# Altium PCB BSPD+SDC.PcbDoc (part 1 of 2) (continued)
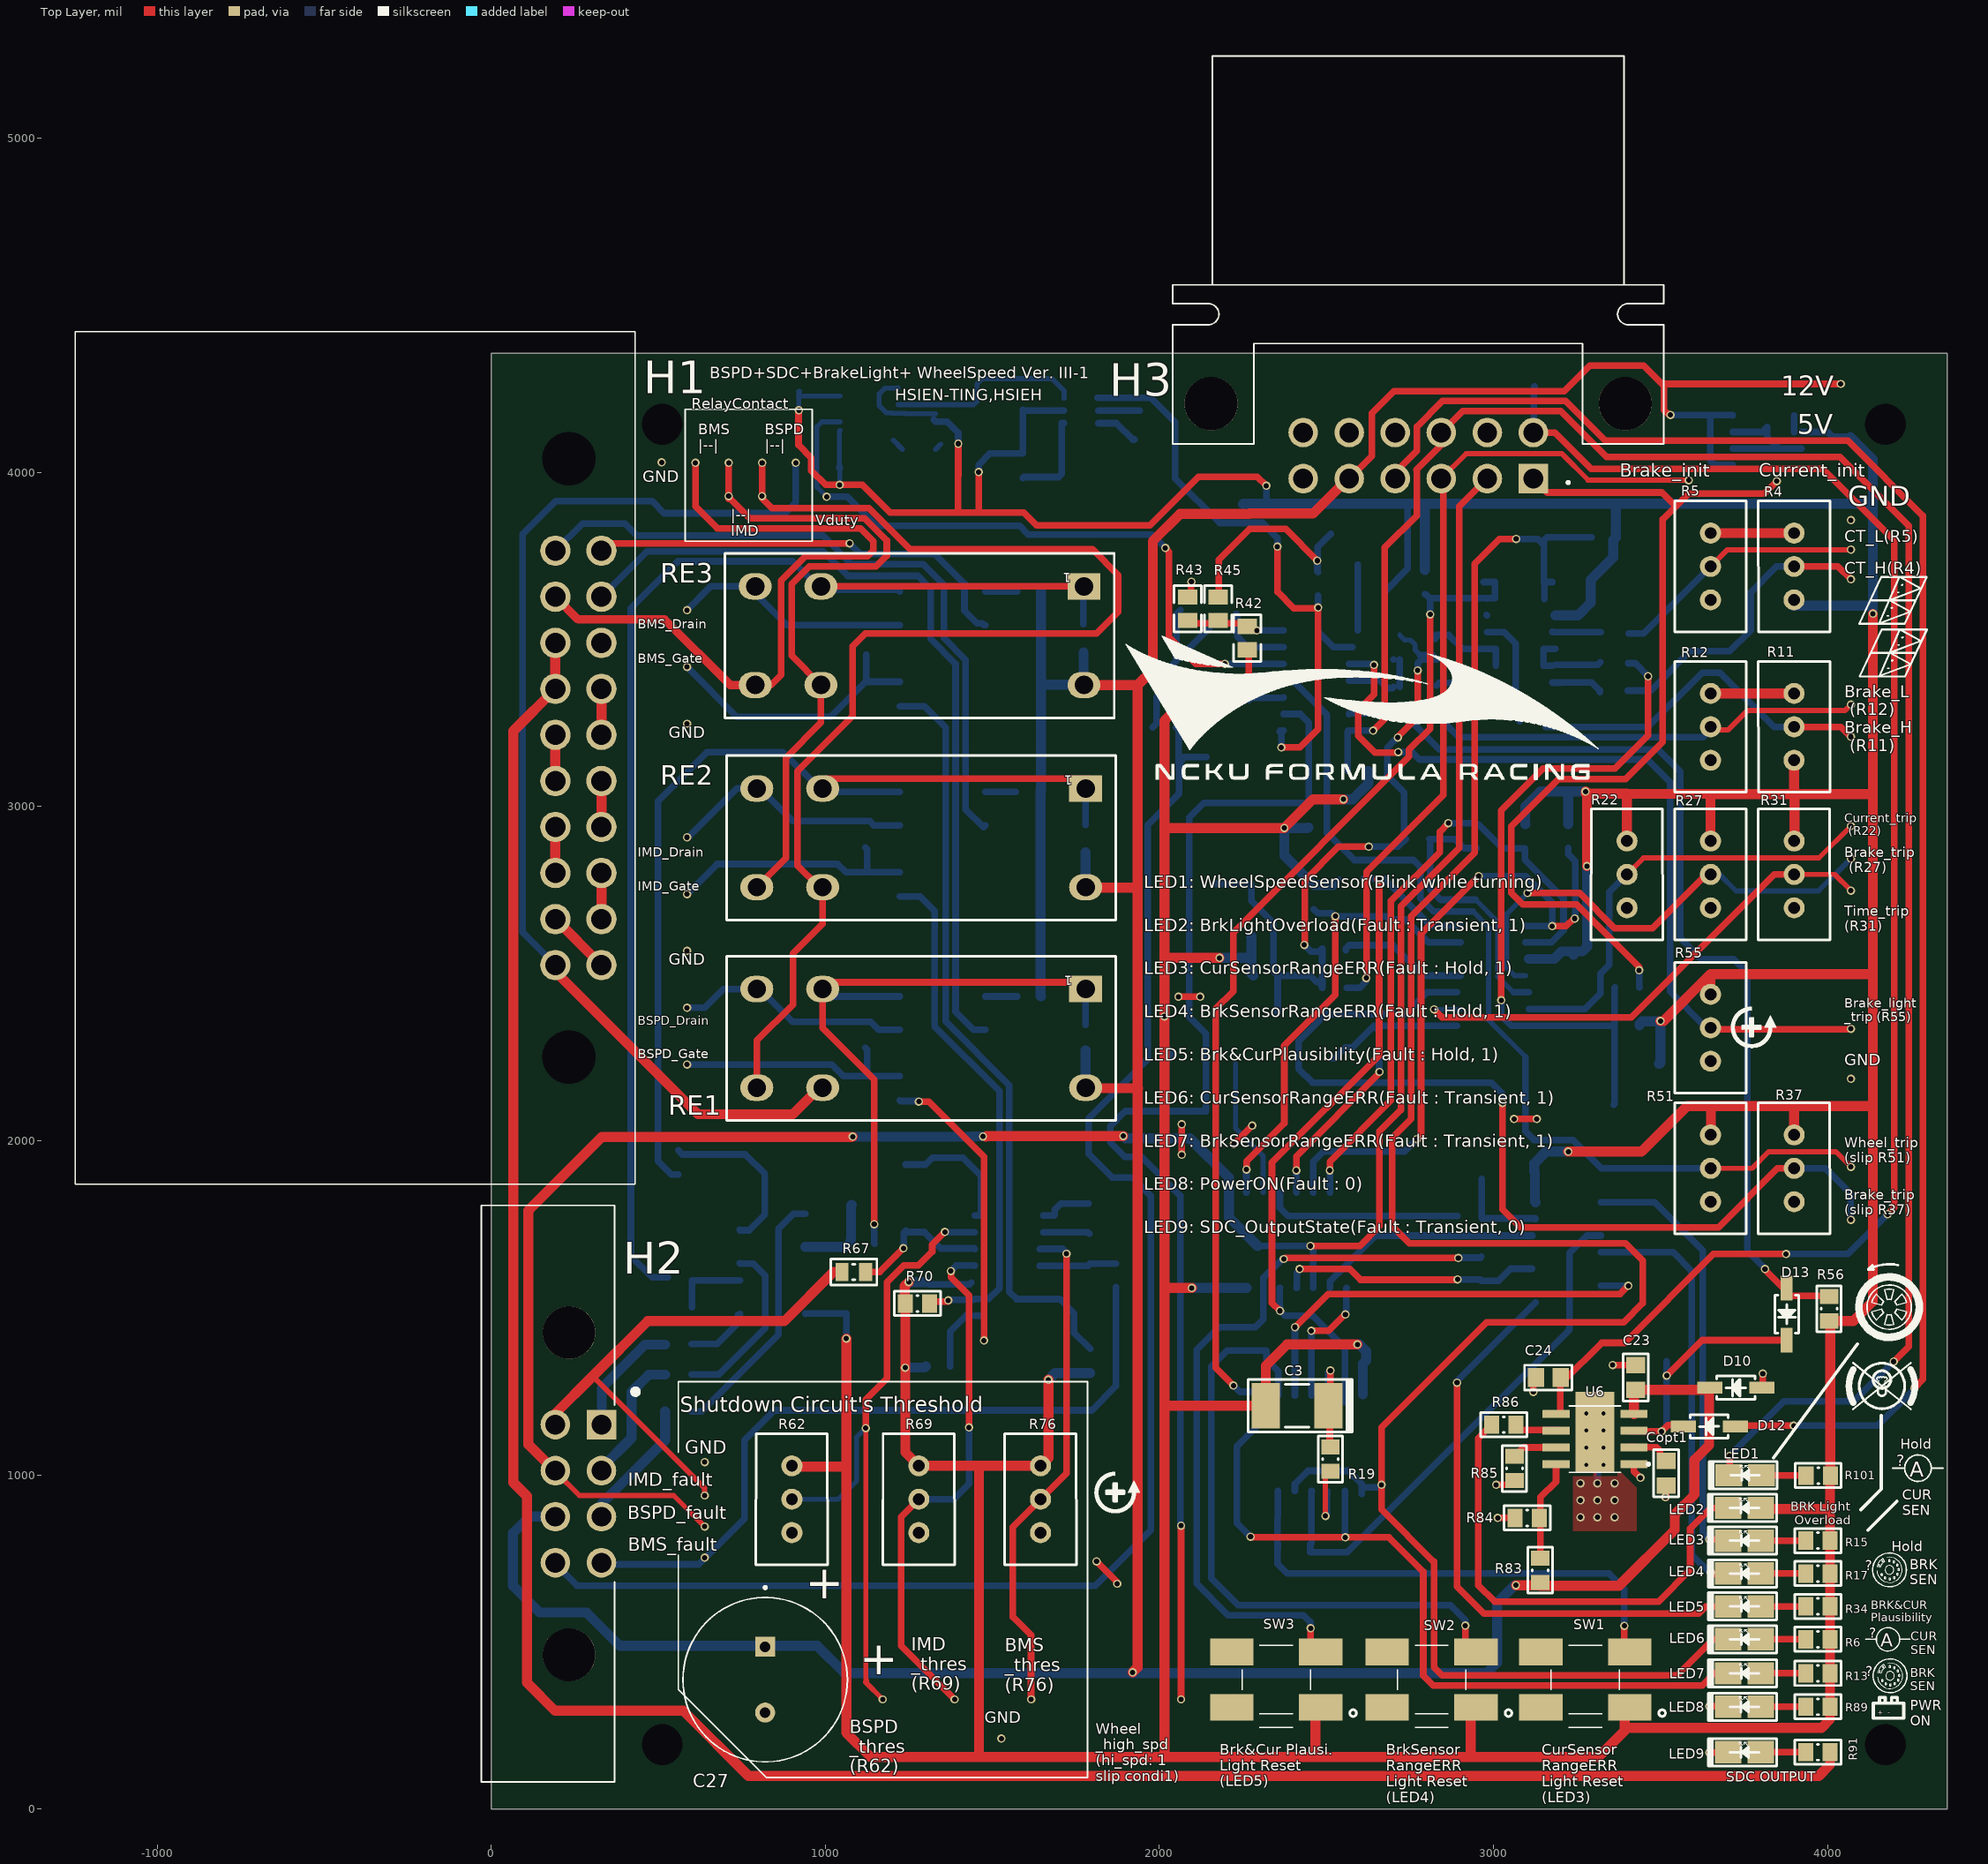
[diagram p0: Top Layer view]
## Components (designator, comment, footprint, x,y, rotation, side; value= is the part's Value field where it differs from the comment) (continued)
R89 "470R" 0805-RESISTOR 3971.34,306 r0 top
R90 "10kR" 0805-RESISTOR 3518,1376 r270 bottom
R91 "1k" 0805-RESISTOR 3971.34,170 r0 top
R92 "0R" 0805-RESISTOR 1375,4247 r0 bottom
R93 "10kR" 0805-RESISTOR 2445.6,2974.13 r270 bottom
R94 "39kR" 0805-RESISTOR 2589,3106 r0 bottom
R95 "100k" 0805-RESISTOR 564.28,1590.88 r180 bottom
R96 "51k" 0805-RESISTOR 563.77,1496.94 r0 bottom
R97 "100k" 0805-RESISTOR 1111.48,1692 r180 bottom
R98 "51k" 0805-RESISTOR 1079,1837 r270 bottom
R99 "100k" 0805-RESISTOR 560,1928 r270 bottom
R100 "51k" 0805-RESISTOR 660.5,1929 r90 bottom
R101 "470R" 0805-RESISTOR 3972.34,998 r0 top
R102 "100kR" 0805-RESISTOR 2179,2086 r0 bottom
RE1 "G2RL-2A4-DC12" G2RL-2A4-DC12 1779.34,2454.09 r180 top (schematic designator re1)
RE2 "G2RL-2A4-DC12" G2RL-2A4-DC12 1779.34,3054.09 r180 top (schematic designator re2)
RE3 "G2RL-2A4-DC12" G2RL-2A4-DC12 1774.34,3659.09 r180 top (schematic designator re3)
SW1 "PTS526 SK08 SMTR2 LFS" PTS526SKG15SMTR2LFS 3275,387 r180 top
SW2 "PTS526 SK08 SMTR2 LFS" PTS526SKG15SMTR2LFS 2815,387 r180 top
SW3 "PTS526 SK08 SMTR2 LFS" PTS526SKG15SMTR2LFS 2350,387 r180 top
U1 "CD4041UBM96" SOIC127P600X175-14N 3224,1666 r180 bottom
U2 "LTC6993CS6-2#TRMPBF" TSOT-23_S6 1765.83,4184.79 r180 bottom
U3 "LTC2644CMS-L12#PBF" SOP65P490X110-12N 1131,4190 r0 bottom
U4 "CD4041" SOIC127P600X175-14N 842.47,1631.93 r0 bottom
U5 "ADP7104ARDZ-5.0-R7" SOIC127P600X175-9N 3820,4096 r180 bottom
U6 "TPS259631DDAR" VREG_LM5017MR/NOPB 3303.94,1107 r180 top

## Footprints (in the part's own frame and the unit in brackets; to place one, negate y for a bottom-side part, rotate by r counter-clockwise, add the part's x,y. Pads: shape width x height; smd on the part's side, far side on the other; paste and mask are expansions set on the pad)
1N4148W-TP [mm] "SODFL, 2-Leads, Body 1.60x4.18mm, IPC Medium Density"
  rect 1.908x0.9 smd: 1(-1.979,0) 2(1.979,0)
  silkscreen extent -1.45,-0.9 1.45,1.6, body extent -2.09,-0.9 2.09,0.9, height 1.35
1SS355VMFHTE-17 [mm]
  rect 1.308x0.9 smd: 1(-1.304,0) 2(1.304,0)
  silkscreen extent -2.16,-0.75 2.16,0.75, body extent -1.25,-0.67 1.25,0.67, height 0.9
2KR [mm]
  rect 1x1.35 smd: 1(-0.9,0) 2(0.9,0)
  silkscreen extent -1.75,-1 1.75,1, body extent -1.05,-0.67 1.05,0.67, height 0.6
2N7002-7-F [mm]
  rect 1.154x1.054 smd: 1(-1,0.915) 2(-1,-0.915) 3(1,0)
  silkscreen extent -1.12,-1.5 0.23,1.99, body extent -1.19,-1.5 1.19,1.5, height 1.1
4.99KR [mm]
  rect 1x1.35 smd: 1(-0.9,0) 2(0.9,0)
  silkscreen extent -1.75,-1 1.75,1, body extent -1.05,-0.67 1.05,0.67, height 0.6
50KR-VERTICAL [mm]
  round 1.6 hole 0.9: 1(0,2.54) 2(0,0) 3(0,-2.54)
  silkscreen extent -2.73,-4.97 2.73,4.97, body extent -2.43,-4.77 2.41,4.75, height 11.57
432R [mm]
  rect 1x1.35 smd: 1(-0.9,0) 2(0.9,0)
  silkscreen extent -1.75,-1 1.75,1, body extent -1.05,-0.67 1.05,0.67, height 0.6
665R,499R [mm]
  rect 1x1.35 smd: 1(-1,0) 2(1,0)
  silkscreen extent -2,-1 2,1, body extent -1.08,-0.7 1.07,0.7, height 0.65
0805-0.1UF-CAPACITOR [mm] "Chip Capacitor, 2-Leads, Body 1.60x0.85mm, IPC Medium Density"
  rect 1.25x1.45 smd: 1(-0.94,0) 2(0.94,0)
  silkscreen extent -1.8,-0.95 1.8,0.95, body extent -0.88,-0.48 0.88,0.48, height 0.95
0805-0.47UF-CAPACITOR [mm] "Chip Capacitor, 2-Leads, Body 2.00x1.25mm, IPC Medium Density"
  rect 1.2x1.45 smd: 1(-0.95,0) 2(0.95,0)
  silkscreen extent -1.78,-0.95 1.78,0.95, body extent -1.1,-0.72 1.1,0.72, height 1.1
0805-RESISTOR [mm] "Chip Resistor, 2-Leads, Body 2.00x1.25mm, IPC Medium Density"
  rect 1.15x1.4 smd: 1(-0.925,0) 2(0.925,0)
  silkscreen extent -1.75,-0.92 1.75,0.92, body extent -1.05,-0.7 1.05,0.7, height 0.6
0805_R [mm]
  rect 1.16x1.47 smd: 1(-0.89,0) 2(0.89,0)
  silkscreen extent -1.77,-1.04 1.77,1.03, body extent -1,-0.62 1,0.63, height 0.49
1206_C [mm]
  rect 1.13x1.8 smd: 1(-1.49,0) 2(1.49,0)
  silkscreen extent -2.36,-1.2 2.35,1.2, body extent -1.6,-0.81 1.6,0.79, height 1
2312-6.8UF-CAPACITOR [mm] "Chip Capacitor, 2-Leads, Body 6.00x3.25mm, IPC Medium Density"
  rect 2.15x3.45 smd: 1(-2.375,0) 2(2.375,0)
  silkscreen extent -3.7,-2 4.2,2.05, body extent -3.1,-1.7 3.1,1.7, height 2.8
348302002 [mm]
  round 2.31 hole 1.54: 1(0,0) 2(0,-3.5) 3(3.5,0) 4(3.5,-3.5) 5(7,0) 6(7,-3.5) 7(10.5,0) 8(10.5,-3.5) 9(14,0) 10(14,-3.5) 11(17.5,0) 12(17.5,-3.5) 13(21,0) 14(21,-3.5) 15(24.5,0) 16(24.5,-3.5) 17(28,0) 18(28,-3.5) 19(31.5,0) 20(31.5,-3.5)
  round 2.025 hole 4.05 unplated: MH1(-7,-2.46) MH2(38.5,-2.46)
  silkscreen extent -16.67,-40 48.16,2.56, body extent -16.1,-42.18 47.59,0.38, height 21
CAPPRD500W60D1250H2200 [mil]
  rect 60x60 hole 31.5: 1(-98.43,0)
  round 60 hole 31.5: 2(98.43,0)
  silkscreen extent -280,-246 246,246, body extent -246,-246 246,246, height 866
CD4081BM [mm]
  oval 2.158x0.6 smd: 1(-3.879,3.81) 2(-3.879,2.54) 3(-3.879,1.27) 4(-3.879,0) 5(-3.879,-1.27) 6(-3.879,-2.54) 7(-3.879,-3.81) 8(3.879,-3.81) 9(3.879,-2.54) 10(3.879,-1.27) 11(3.879,0) 12(3.879,1.27) 13(3.879,2.54) 14(3.879,3.81)
  silkscreen extent -5.21,-5.58 5.21,5.55, body extent -3.9,-5.25 3.9,5.25, height 2
G2RL-2A4-DC12 [mm]
  rect 2.5x2 hole 1.4: 1(0,0)
  oval 2.5x2 hole 1.4: 3(20,0) 4(25,0) 5(25,7.5) 6(20,7.5) 8(0,7.5)
  silkscreen extent -2.3,-2.5 27.3,10, body extent -2.25,-2.6 26.75,10.1, height 15.7
LED-0805 [mm]
  rect 2.026x1.7 smd: 1(-1.241,0) 2(1.241,0)
  silkscreen extent -2.84,-1.04 2.44,1.04, body extent -1,-0.62 1,0.63, height 0.7
MOLEX_34830-0801 [mm]
  rect 2.25x2.25 hole 1.5: 1(-5.25,2.46)
  round 2.25 hole 1.5: 2(-1.75,2.46) 3(1.75,2.46) 4(5.25,2.46) 5(-5.25,-1.04) 6(-1.75,-1.04) 7(1.75,-1.04) 8(5.25,-1.04)
  round 4 hole 4 unplated: ""(-12.25,0) ""(12.25,0)
  silkscreen extent -21.92,-6.68 21.92,5.25, body extent -21.36,-39.47 21.33,3.09, height 20.99
MOLEX_36783-1201 [mm]
  rect 2.25x2.25 hole 1.5: 1(-8.75,5.7)
  round 2.25 hole 1.5: 2(-5.25,5.7) 3(-1.75,5.7) 4(1.75,5.7) 5(5.25,5.7) 6(8.75,5.7) 7(-8.75,2.2) 8(-5.25,2.2) 9(-1.75,2.2) 10(1.75,2.2) 11(5.25,2.2) 12(8.75,2.2)
  round 4.05 hole 4.05 unplated: ""(-15.75,0) ""(15.75,0)
  silkscreen extent -18.67,-26.43 18.67,6.1, body extent -18.67,-26.52 18.69,5.94, height 24.44
PTS526SKG15SMTR2LFS [mil]
  rect 130x80 smd: 1(-133.11,82.83) 2(133.11,82.83) 3(-133.11,-82.83) 4(133.11,-82.83)
  silkscreen extent -240,-102 102,142, body extent -197,-118 197,118, height 286
SOIC127P600X175-9N [mil]
  rect 85x22 smd: 1(-103,75) 2(-103,25) 3(-103,-25) 4(-103,-75) 5(103,-75) 6(103,-25) 7(103,25) 8(103,75)
  rect 90x180 smd: 9(0,40)
  silkscreen extent -57,-98 57,99, body extent -118,-96 118,96, height 69
SOIC127P600X175-14N [mm]
  rrect50% 2.478x0.6 smd: 1(-2.729,3.81) 2(-2.729,2.54) 3(-2.729,1.27) 4(-2.729,0) 5(-2.729,-1.27) 6(-2.729,-2.54) 7(-2.729,-3.81) 8(2.729,-3.81) 9(2.729,-2.54) 10(2.729,-1.27) 11(2.729,0) 12(2.729,1.27) 13(2.729,2.54) 14(2.729,3.81)
  silkscreen extent -4.15,-4.33 1.17,4.33, body extent -3,-4.33 3,4.32, height 1.75
SOP65P490X110-12N [mm]
  rect 1.933x0.45 smd: 1(-2.466,1.625) 2(-2.466,0.975) 3(-2.466,0.325) 4(-2.466,-0.325) 5(-2.466,-0.975) 6(-2.466,-1.625) 7(2.466,-1.625) 8(2.466,-0.975) 9(2.466,-0.325) 10(2.466,0.325) 11(2.466,0.975) 12(2.466,1.625)
  silkscreen extent -2.93,-2.02 1.15,2.2, body extent -2.45,-2.02 2.45,2.02, height 1.1
TSOT-23_S6 [mil]
  rect 68x20 smd: 1(-61.57,37.4) 2(-61.57,0) 3(-61.57,-37.4) 4(61.57,-37.4) 5(61.57,0) 6(61.57,37.4)
  silkscreen extent -40,-62 40,62, body extent -55,-57 55,57, height 39
VOM618AT [mm]
  rect 1.254x1.054 smd: 1(-3.25,1.27) 2(-3.25,-1.27) 3(3.25,-1.27) 4(3.25,1.27)
  silkscreen extent -3.38,-2.1 1.9,2.34, body extent -3.37,-2.1 3.37,2.1, height 2
VREG_LM5017MR/NOPB [mm]
  rrect5% 2.058x0.6 smd mask+0: 1(-2.954,1.905) 2(-2.954,0.635) 3(-2.954,-0.635) 4(-2.954,-1.905) 5(2.954,-1.905) 6(2.954,-0.635) 7(2.954,0.635) 8(2.954,1.905)
  rect 2.95x6.17 smd paste-3 mask+0: 9(0,-0.508)
  round 0.762 hole 0.305: 10(-0.65,1.95) 11(0.65,1.95) 12(-0.65,0.65) 13(0.65,0.65) 14(-0.65,-0.65) 15(0.65,-0.65) 16(-0.65,-1.95) 17(0.65,-1.95)
  silkscreen extent -4.17,-2.52 1.95,2.52, body extent -3,-2.45 3,2.45, height 1.7
"YAGEO 0805" [mm]
  rect 1x1.35 smd: 1(-0.9,0) 2(0.9,0)
  silkscreen extent -1.75,-1 1.75,1, body extent -1.05,-0.67 1.05,0.67, height 0.6

## Part data
C1 C2 C5 C6 C9 C10 C12 C13 C14 C18 C19 C20 C23 C24 C25 C26 Copt1: library part 0.1uF-C0805C104M5RACTU, "Cap Ceramic 0.1uF 50V X7R 10% Pad SMD 0603 Flexible Termination 125C Automotive", Manufacturer=KEMET, Manufacturer Part Number=C0603X104K5RAC3316, Supplier Part Number 1=80-C0603X104K5R3316, ComponentLink1Description=Mouser, ComponentLink1URL=https://www.mouser.tw/ProductDetail/KEMET/C0805C104M5RACTU?qs=VOOUd%252Bza08qHu13WgNByHQ%3D%3D, ComponentLink2Description=Datasheet, ComponentLink2URL=https://www.mouser.tw/datasheet/2/212/KEM_C1002_X7R_SMD-1102033.pdf, Pricing 1="1 = 0.19000, 10 = 0.12700, 100 = 0.06400, 500 = 0.04400, 1000 = 0.03800, 4000 = 0.03700 (USD)", Stock 1=9731, Supplier 1=Mouser
C3: library part 6.8uF-TAJC685K050RNJ, "Cap Tant Solid 6.8uF 50V C CASE 10% (6 X 3.2 X 2.6mm) Inward L SMD 6032-28 1 Ohm 125C T/R", Case/Package=Molded, Case Code (Imperial)=2312, Case Code (Metric)=6032, Dielectric Material=Tantalum, ESR (Equivalent Series Resistance)=1R, Leakage Current=3.4uA, Manufacturer=AVX, Manufacturer Part Number=TAJC685K050RNJ, Max Operating Temperature=125°C, Min Operating Temperature=-55°C, Package Quantity=1, Supplier Part Number 1=581-TAJC685K050RNJ, Tolerance=10%, Voltage Rating=50V, Capacitance=6.8uF, ComponentLink1Description=https://datasheet.ciiva.com/267/taj-267945.pdf?src-supplier=Digi-Key, ComponentLink1URL=https://datasheet.ciiva.com/267/taj-267945.pdf?src-supplier=Digi-Key, ComponentLink2Description=https://datasheet.ciiva.com/267/taj-267946.pdf?src-supplier=Digi-Key, ComponentLink2URL=https://datasheet.ciiva.com/267/taj-267946.pdf?src-supplier=Digi-Key, ComponentLink3Description=https://datasheet.ciiva.com/267/taj-267947.pdf?src-supplier=Digi-Key, ComponentLink3URL=https://datasheet.ciiva.com/267/taj-267947.pdf?src-supplier=Digi-Key, ComponentLink4Description=https://datasheet.ciiva.com/12910/taj-27497-12910591.pdf?src-supplier=Mouser, ComponentLink4URL=https://datasheet.ciiva.com/12910/taj-27497-12910591.pdf?src-supplier=Mouser, ComponentLink5Description=https://datasheet.ciiva.com/17338/taj-17338791.pdf?src-supplier=Avnet+Europe, ComponentLink5URL=https://datasheet.ciiva.com/17338/taj-17338791.pdf?src-supplier=Avnet+Europe, ComponentLink6Description=http://datasheet.octopart.com/TAJC685K050RNJ-AVX-datasheet-50868559.pdf?src-supplier=AVX, ComponentLink6URL=http://datasheet.octopart.com/TAJC685K050RNJ-AVX-datasheet-50868559.pdf?src-supplier=AVX, ComponentLink7Description=http://datasheet.octopart.com/TAJC685K050RNJ-AVX-datasheet-5313859.pdf?src-supplier=Element14, ComponentLink7URL=http://datasheet.octopart.com/TAJC685K050RNJ-AVX-datasheet-5313859.pdf?src-supplier=Element14, ComponentLink8Description=http://datasheet.octopart.com/TAJC685K050RNJ-AVX-datasheet-78694144.pdf?src-supplier=Element14, ComponentLink8URL=http://datasheet.octopart.com/TAJC685K050RNJ-AVX-datasheet-78694144.pdf?src-supplier=Element14, ComponentLink9Description=http://datasheet.octopart.com/TAJC685K050RNJ-AVX-Interconnect---Elco-datasheet-8359467.pdf, ComponentLink9URL=http://datasheet.octopart.com/TAJC685K050RNJ-AVX-Interconnect---Elco-datasheet-8359467.pdf, ComponentLink10Description=http://datasheet.octopart.com/TAJC685K050RNJ-AVX-Interconnect---Elco-datasheet-8398506.pdf, ComponentLink10URL=http://datasheet.octopart.com/TAJC685K050RNJ-AVX-Interconnect---Elco-datasheet-8398506.pdf, ComponentLink11Description=http://datasheet.octopart.com/TAJC685K050RNJ-AVX-Interconnect---Elco-datasheet-12511273.pdf, ComponentLink11URL=http://datasheet.octopart.com/TAJC685K050RNJ-AVX-Interconnect---Elco-datasheet-12511273.pdf, ComponentLink12Description=http://datasheet.octopart.com/TAJC685K050RNJ-AVX-Interconnect---Elco-datasheet-5308206.pdf?src-supplier=Factory+Futures, ComponentLink12URL=http://datasheet.octopart.com/TAJC685K050RNJ-AVX-Interconnect---Elco-datasheet-5308206.pdf?src-supplier=Factory+Futures, ComponentLink13Description=http://datasheet.octopart.com/TAJC685K050RNJ-AVX-Interconnect---Elco-datasheet-5393561.pdf?src-supplier=Factory+Futures, ComponentLink13URL=http://datasheet.octopart.com/TAJC685K050RNJ-AVX-Interconnect---Elco-datasheet-5393561.pdf?src-supplier=Factory+Futures, ComponentLink14Description=http://datasheet.octopart.com/TAJC685K050RNJ-AVX-Interconnect---Elco-datasheet-5428838.pdf?src-supplier=Factory+Futures, ComponentLink14URL=http://datasheet.octopart.com/TAJC685K050RNJ-AVX-Interconnect---Elco-datasheet-5428838.pdf?src-supplier=Factory+Futures, ComponentLink15Description=http://datasheet.octopart.com/TAJC685K050RNJ-AVX-Interconnect---Elco-datasheet-8324253.pdf?src-supplier=Factory+Futures, ComponentLink15URL=http://datasheet.octopart.com/TAJC685K050RNJ-AVX-Interconnect---Elco-datasheet-8324253.pdf?src-supplier=Factory+Futures, ComponentLink16Description=http://datasheet.octopart.com/TAJC685K050RNJ-AVX-Interconnect---Elco-datasheet-8447299.pdf?src-supplier=Factory+Futures, ComponentLink16URL=http://datasheet.octopart.com/TAJC685K050RNJ-AVX-Interconnect---Elco-datasheet-8447299.pdf?src-supplier=Factory+Futures, ComponentLink17Description=http://datasheet.octopart.com/TAJC685K050RNJ-AVX-Interconnect---Elco-datasheet-8621976.pdf?src-supplier=Factory+Futures, ComponentLink17URL=http://datasheet.octopart.com/TAJC685K050RNJ-AVX-Interconnect---Elco-datasheet-8621976.pdf?src-supplier=Factory+Futures, ComponentLink18Description=http://datasheet.octopart.com/TAJC685K050RNJ-AVX-Interconnect---Elco-datasheet-8701730.pdf?src-supplier=Factory+Futures, ComponentLink18URL=http://datasheet.octopart.com/TAJC685K050RNJ-AVX-Interconnect---Elco-datasheet-8701730.pdf?src-supplier=Factory+Futures, ComponentLink19Description=http://datasheet.octopart.com/TAJC685K050RNJ-AVX-Interconnect---Elco-datasheet-8715220.pdf?src-supplier=Factory+Futures, ComponentLink19URL=http://datasheet.octopart.com/TAJC685K050RNJ-AVX-Interconnect---Elco-datasheet-8715220.pdf?src-supplier=Factory+Futures, ComponentLink20Description=http://datasheet.octopart.com/TAJC685K050RNJ-AVX-Interconnect---Elco-datasheet-8836325.pdf?src-supplier=Factory+Futures, ComponentLink20URL=http://datasheet.octopart.com/TAJC685K050RNJ-AVX-Interconnect---Elco-datasheet-8836325.pdf?src-supplier=Factory+Futures, ComponentLink21Description=http://datasheet.octopart.com/TAJC685K050RNJ-AVX-Interconnect---Elco-datasheet-8853265.pdf?src-supplier=Factory+Futures, ComponentLink21URL=http://datasheet.octopart.com/TAJC685K050RNJ-AVX-Interconnect---Elco-datasheet-8853265.pdf?src-supplier=Factory+Futures, ComponentLink22Description=http://datasheet.octopart.com/TAJC685K050RNJ-AVX-Interconnect---Elco-datasheet-8858887.pdf?src-supplier=Factory+Futures, ComponentLink22URL=http://datasheet.octopart.com/TAJC685K050RNJ-AVX-Interconnect---Elco-datasheet-8858887.pdf?src-supplier=Factory+Futures, ComponentLink23Description=http://datasheet.octopart.com/TAJC685K050RNJ-AVX-Interconnect---Elco-datasheet-8877386.pdf?src-supplier=Factory+Futures, ComponentLink23URL=http://datasheet.octopart.com/TAJC685K050RNJ-AVX-Interconnect---Elco-datasheet-8877386.pdf?src-supplier=Factory+Futures, ComponentLink24Description=http://datasheet.octopart.com/TAJC685K050RNJ-AVX-Interconnect---Elco-datasheet-10028080.pdf?src-supplier=Factory+Futures, ComponentLink24URL=http://datasheet.octopart.com/TAJC685K050RNJ-AVX-Interconnect---Elco-datasheet-10028080.pdf?src-supplier=Factory+Futures, ComponentLink25Description=http://datasheet.octopart.com/TAJC685K050RNJ-AVX-Interconnect---Elco-datasheet-10193294.pdf?src-supplier=Factory+Futures, ComponentLink25URL=http://datasheet.octopart.com/TAJC685K050RNJ-AVX-Interconnect---Elco-datasheet-10193294.pdf?src-supplier=Factory+Futures, ComponentLink26Description=http://datasheet.octopart.com/TAJC685K050RNJ-AVX-Interconnect---Elco-datasheet-10285639.pdf?src-supplier=Factory+Futures, ComponentLink26URL=http://datasheet.octopart.com/TAJC685K050RNJ-AVX-Interconnect---Elco-datasheet-10285639.pdf?src-supplier=Factory+Futures, ComponentLink27Description=http://datasheet.octopart.com/TAJC685K050RNJ-AVX-Interconnect---Elco-datasheet-10380087.pdf?src-supplier=Factory+Futures, ComponentLink27URL=http://datasheet.octopart.com/TAJC685K050RNJ-AVX-Interconnect---Elco-datasheet-10380087.pdf?src-supplier=Factory+Futures, ComponentLink28Description=http://datasheet.octopart.com/TAJC685K050RNJ-AVX-Interconnect---Elco-datasheet-10403705.pdf?src-supplier=Factory+Futures, ComponentLink28URL=http://datasheet.octopart.com/TAJC685K050RNJ-AVX-Interconnect---Elco-datasheet-10403705.pdf?src-supplier=Factory+Futures, ComponentLink29Description=http://datasheet.octopart.com/TAJC685K050RNJ-AVX-Interconnect---Elco-datasheet-10545425.pdf?src-supplier=Factory+Futures, ComponentLink29URL=http://datasheet.octopart.com/TAJC685K050RNJ-AVX-Interconnect---Elco-datasheet-10545425.pdf?src-supplier=Factory+Futures, ComponentLink30Description=http://datasheet.octopart.com/TAJC685K050RNJ-AVX-Interconnect---Elco-datasheet-10620092.pdf?src-supplier=Factory+Futures, ComponentLink30URL=http://datasheet.octopart.com/TAJC685K050RNJ-AVX-Interconnect---Elco-datasheet-10620092.pdf?src-supplier=Factory+Futures, ComponentLink31Description=http://datasheet.octopart.com/TAJC685K050RNJ-AVX-Interconnect---Elco-datasheet-10839255.pdf?src-supplier=Factory+Futures, ComponentLink31URL=http://datasheet.octopart.com/TAJC685K050RNJ-AVX-Interconnect---Elco-datasheet-10839255.pdf?src-supplier=Factory+Futures, ComponentLink32Description=http://datasheet.octopart.com/TAJC685K050RNJ-AVX-Interconnect---Elco-datasheet-10851837.pdf?src-supplier=Factory+Futures, ComponentLink32URL=http://datasheet.octopart.com/TAJC685K050RNJ-AVX-Interconnect---Elco-datasheet-10851837.pdf?src-supplier=Factory+Futures, ComponentLink33Description=http://datasheet.octopart.com/TAJC685K050RNJ-AVX-Interconnect---Elco-datasheet-10916590.pdf?src-supplier=Factory+Futures, ComponentLink33URL=http://datasheet.octopart.com/TAJC685K050RNJ-AVX-Interconnect---Elco-datasheet-10916590.pdf?src-supplier=Factory+Futures, ComponentLink34Description=http://datasheet.octopart.com/TAJC685K050RNJ-AVX-Interconnect---Elco-datasheet-11475269.pdf?src-supplier=Factory+Futures, ComponentLink34URL=http://datasheet.octopart.com/TAJC685K050RNJ-AVX-Interconnect---Elco-datasheet-11475269.pdf?src-supplier=Factory+Futures, ComponentLink35Description=http://datasheet.octopart.com/TAJC685K050RNJ-AVX-datasheet-48507738.pdf?src-supplier=Future+Electronics, ComponentLink35URL=http://datasheet.octopart.com/TAJC685K050RNJ-AVX-datasheet-48507738.pdf?src-supplier=Future+Electronics, ComponentLink36Description=http://datasheet.octopart.com/TAJC685K050RNJ-AVX-datasheet-66442782.pdf?src-supplier=Newark, ComponentLink36URL=http://datasheet.octopart.com/TAJC685K050RNJ-AVX-datasheet-66442782.pdf?src-supplier=Newark, ComponentLink37Description=http://datasheet.octopart.com/TAJC685K050RNJ-AVX-datasheet-62304617.pdf?src-supplier=Farnell, ComponentLink37URL=http://datasheet.octopart.com/TAJC685K050RNJ-AVX-datasheet-62304617.pdf?src-supplier=Farnell, ComponentLink38Description=http://datasheet.octopart.com/TAJ-Series---Standard-Tantalum-AVX-datasheet-family-88.pdf, ComponentLink38URL=http://datasheet.octopart.com/TAJ-Series---Standard-Tantalum-AVX-datasheet-family-88.pdf, Depth=3.2mm, Dissipation Factor=6%, Features="General Purpose", Height=2.8mm, Height - Seated (Max)=0.11inch, Lead Free="Lead Free", Length=6mm, Mount="Surface Mount", Packaging="Tape and Reel", Polarity=Polar, Pricing 1="1 = 1.27000, 10 = 0.96300, 100 = 0.75300, 500 = 0.49500, 1000 = 0.43600, 2500 = 0.42200 (USD)", Radiation Hardening=No, REACH SVHC="No SVHC", Stock 1=13768, Supplier 1=Mouser, Termination=SMD/SMT, Voltage Rating (DC)=50V, Weight=0.005291oz, Width=0.126inch
C4 C15 C89: library part 6.8uF-TAJC685K050RNJ, "Cap Tant Solid 6.8uF 50V C CASE 10% (6 X 3.2 X 2.6mm) Inward L SMD 6032-28 1 Ohm 125C T/R", Capacitance=6.8uF, Case/Package=Molded, Case Code (Imperial)=2312, Case Code (Metric)=6032, Dielectric Material=Tantalum, ESR (Equivalent Series Resistance)=1R, Leakage Current=3.4uA, Manufacturer=AVX, Manufacturer Part Number=TAJC685K050RNJ, Max Operating Temperature=125°C, Min Operating Temperature=-55°C, Package Quantity=1, Supplier Part Number 1=581-TAJC685K050RNJ, Tolerance=10%, Voltage Rating=50V, ComponentLink1Description=https://datasheet.ciiva.com/267/taj-267945.pdf?src-supplier=Digi-Key, ComponentLink1URL=https://datasheet.ciiva.com/267/taj-267945.pdf?src-supplier=Digi-Key, ComponentLink2Description=https://datasheet.ciiva.com/267/taj-267946.pdf?src-supplier=Digi-Key, ComponentLink2URL=https://datasheet.ciiva.com/267/taj-267946.pdf?src-supplier=Digi-Key, ComponentLink3Description=https://datasheet.ciiva.com/267/taj-267947.pdf?src-supplier=Digi-Key, ComponentLink3URL=https://datasheet.ciiva.com/267/taj-267947.pdf?src-supplier=Digi-Key, ComponentLink4Description=https://datasheet.ciiva.com/12910/taj-27497-12910591.pdf?src-supplier=Mouser, ComponentLink4URL=https://datasheet.ciiva.com/12910/taj-27497-12910591.pdf?src-supplier=Mouser, ComponentLink5Description=https://datasheet.ciiva.com/17338/taj-17338791.pdf?src-supplier=Avnet+Europe, ComponentLink5URL=https://datasheet.ciiva.com/17338/taj-17338791.pdf?src-supplier=Avnet+Europe, ComponentLink6Description=http://datasheet.octopart.com/TAJC685K050RNJ-AVX-datasheet-50868559.pdf?src-supplier=AVX, ComponentLink6URL=http://datasheet.octopart.com/TAJC685K050RNJ-AVX-datasheet-50868559.pdf?src-supplier=AVX, ComponentLink7Description=http://datasheet.octopart.com/TAJC685K050RNJ-AVX-datasheet-5313859.pdf?src-supplier=Element14, ComponentLink7URL=http://datasheet.octopart.com/TAJC685K050RNJ-AVX-datasheet-5313859.pdf?src-supplier=Element14, ComponentLink8Description=http://datasheet.octopart.com/TAJC685K050RNJ-AVX-datasheet-78694144.pdf?src-supplier=Element14, ComponentLink8URL=http://datasheet.octopart.com/TAJC685K050RNJ-AVX-datasheet-78694144.pdf?src-supplier=Element14, ComponentLink9Description=http://datasheet.octopart.com/TAJC685K050RNJ-AVX-Interconnect---Elco-datasheet-8359467.pdf, ComponentLink9URL=http://datasheet.octopart.com/TAJC685K050RNJ-AVX-Interconnect---Elco-datasheet-8359467.pdf, ComponentLink10Description=http://datasheet.octopart.com/TAJC685K050RNJ-AVX-Interconnect---Elco-datasheet-8398506.pdf, ComponentLink10URL=http://datasheet.octopart.com/TAJC685K050RNJ-AVX-Interconnect---Elco-datasheet-8398506.pdf, ComponentLink11Description=http://datasheet.octopart.com/TAJC685K050RNJ-AVX-Interconnect---Elco-datasheet-12511273.pdf, ComponentLink11URL=http://datasheet.octopart.com/TAJC685K050RNJ-AVX-Interconnect---Elco-datasheet-12511273.pdf, ComponentLink12Description=http://datasheet.octopart.com/TAJC685K050RNJ-AVX-Interconnect---Elco-datasheet-5308206.pdf?src-supplier=Factory+Futures, ComponentLink12URL=http://datasheet.octopart.com/TAJC685K050RNJ-AVX-Interconnect---Elco-datasheet-5308206.pdf?src-supplier=Factory+Futures, ComponentLink13Description=http://datasheet.octopart.com/TAJC685K050RNJ-AVX-Interconnect---Elco-datasheet-5393561.pdf?src-supplier=Factory+Futures, ComponentLink13URL=http://datasheet.octopart.com/TAJC685K050RNJ-AVX-Interconnect---Elco-datasheet-5393561.pdf?src-supplier=Factory+Futures, ComponentLink14Description=http://datasheet.octopart.com/TAJC685K050RNJ-AVX-Interconnect---Elco-datasheet-5428838.pdf?src-supplier=Factory+Futures, ComponentLink14URL=http://datasheet.octopart.com/TAJC685K050RNJ-AVX-Interconnect---Elco-datasheet-5428838.pdf?src-supplier=Factory+Futures, ComponentLink15Description=http://datasheet.octopart.com/TAJC685K050RNJ-AVX-Interconnect---Elco-datasheet-8324253.pdf?src-supplier=Factory+Futures, ComponentLink15URL=http://datasheet.octopart.com/TAJC685K050RNJ-AVX-Interconnect---Elco-datasheet-8324253.pdf?src-supplier=Factory+Futures, ComponentLink16Description=http://datasheet.octopart.com/TAJC685K050RNJ-AVX-Interconnect---Elco-datasheet-8447299.pdf?src-supplier=Factory+Futures, ComponentLink16URL=http://datasheet.octopart.com/TAJC685K050RNJ-AVX-Interconnect---Elco-datasheet-8447299.pdf?src-supplier=Factory+Futures, ComponentLink17Description=http://datasheet.octopart.com/TAJC685K050RNJ-AVX-Interconnect---Elco-datasheet-8621976.pdf?src-supplier=Factory+Futures, ComponentLink17URL=http://datasheet.octopart.com/TAJC685K050RNJ-AVX-Interconnect---Elco-datasheet-8621976.pdf?src-supplier=Factory+Futures, ComponentLink18Description=http://datasheet.octopart.com/TAJC685K050RNJ-AVX-Interconnect---Elco-datasheet-8701730.pdf?src-supplier=Factory+Futures, ComponentLink18URL=http://datasheet.octopart.com/TAJC685K050RNJ-AVX-Interconnect---Elco-datasheet-8701730.pdf?src-supplier=Factory+Futures, ComponentLink19Description=http://datasheet.octopart.com/TAJC685K050RNJ-AVX-Interconnect---Elco-datasheet-8715220.pdf?src-supplier=Factory+Futures, ComponentLink19URL=http://datasheet.octopart.com/TAJC685K050RNJ-AVX-Interconnect---Elco-datasheet-8715220.pdf?src-supplier=Factory+Futures, ComponentLink20Description=http://datasheet.octopart.com/TAJC685K050RNJ-AVX-Interconnect---Elco-datasheet-8836325.pdf?src-supplier=Factory+Futures, ComponentLink20URL=http://datasheet.octopart.com/TAJC685K050RNJ-AVX-Interconnect---Elco-datasheet-8836325.pdf?src-supplier=Factory+Futures, ComponentLink21Description=http://datasheet.octopart.com/TAJC685K050RNJ-AVX-Interconnect---Elco-datasheet-8853265.pdf?src-supplier=Factory+Futures, ComponentLink21URL=http://datasheet.octopart.com/TAJC685K050RNJ-AVX-Interconnect---Elco-datasheet-8853265.pdf?src-supplier=Factory+Futures, ComponentLink22Description=http://datasheet.octopart.com/TAJC685K050RNJ-AVX-Interconnect---Elco-datasheet-8858887.pdf?src-supplier=Factory+Futures, ComponentLink22URL=http://datasheet.octopart.com/TAJC685K050RNJ-AVX-Interconnect---Elco-datasheet-8858887.pdf?src-supplier=Factory+Futures, ComponentLink23Description=http://datasheet.octopart.com/TAJC685K050RNJ-AVX-Interconnect---Elco-datasheet-8877386.pdf?src-supplier=Factory+Futures, ComponentLink23URL=http://datasheet.octopart.com/TAJC685K050RNJ-AVX-Interconnect---Elco-datasheet-8877386.pdf?src-supplier=Factory+Futures, ComponentLink24Description=http://datasheet.octopart.com/TAJC685K050RNJ-AVX-Interconnect---Elco-datasheet-10028080.pdf?src-supplier=Factory+Futures, ComponentLink24URL=http://datasheet.octopart.com/TAJC685K050RNJ-AVX-Interconnect---Elco-datasheet-10028080.pdf?src-supplier=Factory+Futures, ComponentLink25Description=http://datasheet.octopart.com/TAJC685K050RNJ-AVX-Interconnect---Elco-datasheet-10193294.pdf?src-supplier=Factory+Futures, ComponentLink25URL=http://datasheet.octopart.com/TAJC685K050RNJ-AVX-Interconnect---Elco-datasheet-10193294.pdf?src-supplier=Factory+Futures, ComponentLink26Description=http://datasheet.octopart.com/TAJC685K050RNJ-AVX-Interconnect---Elco-datasheet-10285639.pdf?src-supplier=Factory+Futures, ComponentLink26URL=http://datasheet.octopart.com/TAJC685K050RNJ-AVX-Interconnect---Elco-datasheet-10285639.pdf?src-supplier=Factory+Futures, ComponentLink27Description=http://datasheet.octopart.com/TAJC685K050RNJ-AVX-Interconnect---Elco-datasheet-10380087.pdf?src-supplier=Factory+Futures, ComponentLink27URL=http://datasheet.octopart.com/TAJC685K050RNJ-AVX-Interconnect---Elco-datasheet-10380087.pdf?src-supplier=Factory+Futures, ComponentLink28Description=http://datasheet.octopart.com/TAJC685K050RNJ-AVX-Interconnect---Elco-datasheet-10403705.pdf?src-supplier=Factory+Futures, ComponentLink28URL=http://datasheet.octopart.com/TAJC685K050RNJ-AVX-Interconnect---Elco-datasheet-10403705.pdf?src-supplier=Factory+Futures, ComponentLink29Description=http://datasheet.octopart.com/TAJC685K050RNJ-AVX-Interconnect---Elco-datasheet-10545425.pdf?src-supplier=Factory+Futures, ComponentLink29URL=http://datasheet.octopart.com/TAJC685K050RNJ-AVX-Interconnect---Elco-datasheet-10545425.pdf?src-supplier=Factory+Futures, ComponentLink30Description=http://datasheet.octopart.com/TAJC685K050RNJ-AVX-Interconnect---Elco-datasheet-10620092.pdf?src-supplier=Factory+Futures, ComponentLink30URL=http://datasheet.octopart.com/TAJC685K050RNJ-AVX-Interconnect---Elco-datasheet-10620092.pdf?src-supplier=Factory+Futures, ComponentLink31Description=http://datasheet.octopart.com/TAJC685K050RNJ-AVX-Interconnect---Elco-datasheet-10839255.pdf?src-supplier=Factory+Futures, ComponentLink31URL=http://datasheet.octopart.com/TAJC685K050RNJ-AVX-Interconnect---Elco-datasheet-10839255.pdf?src-supplier=Factory+Futures, ComponentLink32Description=http://datasheet.octopart.com/TAJC685K050RNJ-AVX-Interconnect---Elco-datasheet-10851837.pdf?src-supplier=Factory+Futures, ComponentLink32URL=http://datasheet.octopart.com/TAJC685K050RNJ-AVX-Interconnect---Elco-datasheet-10851837.pdf?src-supplier=Factory+Futures, ComponentLink33Description=http://datasheet.octopart.com/TAJC685K050RNJ-AVX-Interconnect---Elco-datasheet-10916590.pdf?src-supplier=Factory+Futures, ComponentLink33URL=http://datasheet.octopart.com/TAJC685K050RNJ-AVX-Interconnect---Elco-datasheet-10916590.pdf?src-supplier=Factory+Futures, ComponentLink34Description=http://datasheet.octopart.com/TAJC685K050RNJ-AVX-Interconnect---Elco-datasheet-11475269.pdf?src-supplier=Factory+Futures, ComponentLink34URL=http://datasheet.octopart.com/TAJC685K050RNJ-AVX-Interconnect---Elco-datasheet-11475269.pdf?src-supplier=Factory+Futures, ComponentLink35Description=http://datasheet.octopart.com/TAJC685K050RNJ-AVX-datasheet-48507738.pdf?src-supplier=Future+Electronics, ComponentLink35URL=http://datasheet.octopart.com/TAJC685K050RNJ-AVX-datasheet-48507738.pdf?src-supplier=Future+Electronics, ComponentLink36Description=http://datasheet.octopart.com/TAJC685K050RNJ-AVX-datasheet-66442782.pdf?src-supplier=Newark, ComponentLink36URL=http://datasheet.octopart.com/TAJC685K050RNJ-AVX-datasheet-66442782.pdf?src-supplier=Newark, ComponentLink37Description=http://datasheet.octopart.com/TAJC685K050RNJ-AVX-datasheet-62304617.pdf?src-supplier=Farnell, ComponentLink37URL=http://datasheet.octopart.com/TAJC685K050RNJ-AVX-datasheet-62304617.pdf?src-supplier=Farnell, ComponentLink38Description=http://datasheet.octopart.com/TAJ-Series---Standard-Tantalum-AVX-datasheet-family-88.pdf, ComponentLink38URL=http://datasheet.octopart.com/TAJ-Series---Standard-Tantalum-AVX-datasheet-family-88.pdf, Depth=3.2mm, Dissipation Factor=6%, Features="General Purpose", Height=2.8mm, Height - Seated (Max)=0.11inch, Lead Free="Lead Free", Length=6mm, Mount="Surface Mount", Packaging="Tape and Reel", Polarity=Polar, Pricing 1="1 = 1.27000, 10 = 0.96300, 100 = 0.75300, 500 = 0.49500, 1000 = 0.43600, 2500 = 0.42200 (USD)", Radiation Hardening=No, REACH SVHC="No SVHC", Stock 1=13768, Supplier 1=Mouser, Termination=SMD/SMT, Voltage Rating (DC)=50V, Weight=0.005291oz, Width=0.126inch
C7 C11: library part "1206 100nF (104) 10% 50V", "?片?容", Package=1206, SuppliersPartNumber=C24497, Supplier=LC
  C11: ComponentLink1Description=¨Ñ?°, ComponentLink1URL=http://www.szlcsc.com/product/details_25237.html
C8: library part "1206 470pF (471) 10% 50V", "?片?容", Package=1206, SuppliersPartNumber=C1868, ComponentLink1Description=¨Ñ?°, ComponentLink1URL=http://www.szlcsc.com/product/details_2220.html, Supplier=LC
C16: library part 1uF-0805DC105KAT2A, "Cap Cer 0805 1uF 25V X7R 10%", Manufacturer=KEMET, Manufacturer Part Number=C0805C474K3REC7210, Supplier Part Number 1=80-C0805C474K3RECLR, ComponentLink2Description=Mouser, ComponentLink2URL=https://www.mouser.tw/ProductDetail/AVX/0805DC105KAT2A?qs=ZBeOGGPQgEHtAr%2F2DCpkLA%3D%3D, Pricing 1="1 = 0.30000, 10 = 0.14000, 100 = 0.09000, 500 = 0.08000, 1000 = 0.07000, 2000 = 0.06000 (USD)", Stock 1=9935, Supplier 1=Mouser
C17: library part 0.47uF-C0805C474K3REC7210, "Cap Cer 0805 470NF 25V X7R 10%", Manufacturer=KEMET, Manufacturer Part Number=C0805C474K3REC7210, Supplier Part Number 1=80-C0805C474K3RECLR, ComponentLink1Description=https://api.kemet.com/component-edge/download/datasheet/C0805C474K3REC7210.pdf?src-supplier=Digi-Key, ComponentLink1URL=https://api.kemet.com/component-edge/download/datasheet/C0805C474K3REC7210.pdf?src-supplier=Digi-Key, Pricing 1="1 = 0.30000, 10 = 0.14000, 100 = 0.09000, 500 = 0.08000, 1000 = 0.07000, 2000 = 0.06000 (USD)", Stock 1=9935, Supplier 1=Mouser